# Altium PCB 22280A_AlarmeFenetre_Emetteur.PcbDoc
Units mm, origin at the board's own origin, x right, y up, seen from the top; angles counter-clockwise.
Board outline 60 x 60 mm, 2 copper layers (Top Layer, Bottom Layer), stack 1.586 mm thick; 39 components, 27 nets, 139 pads, 47 vias.
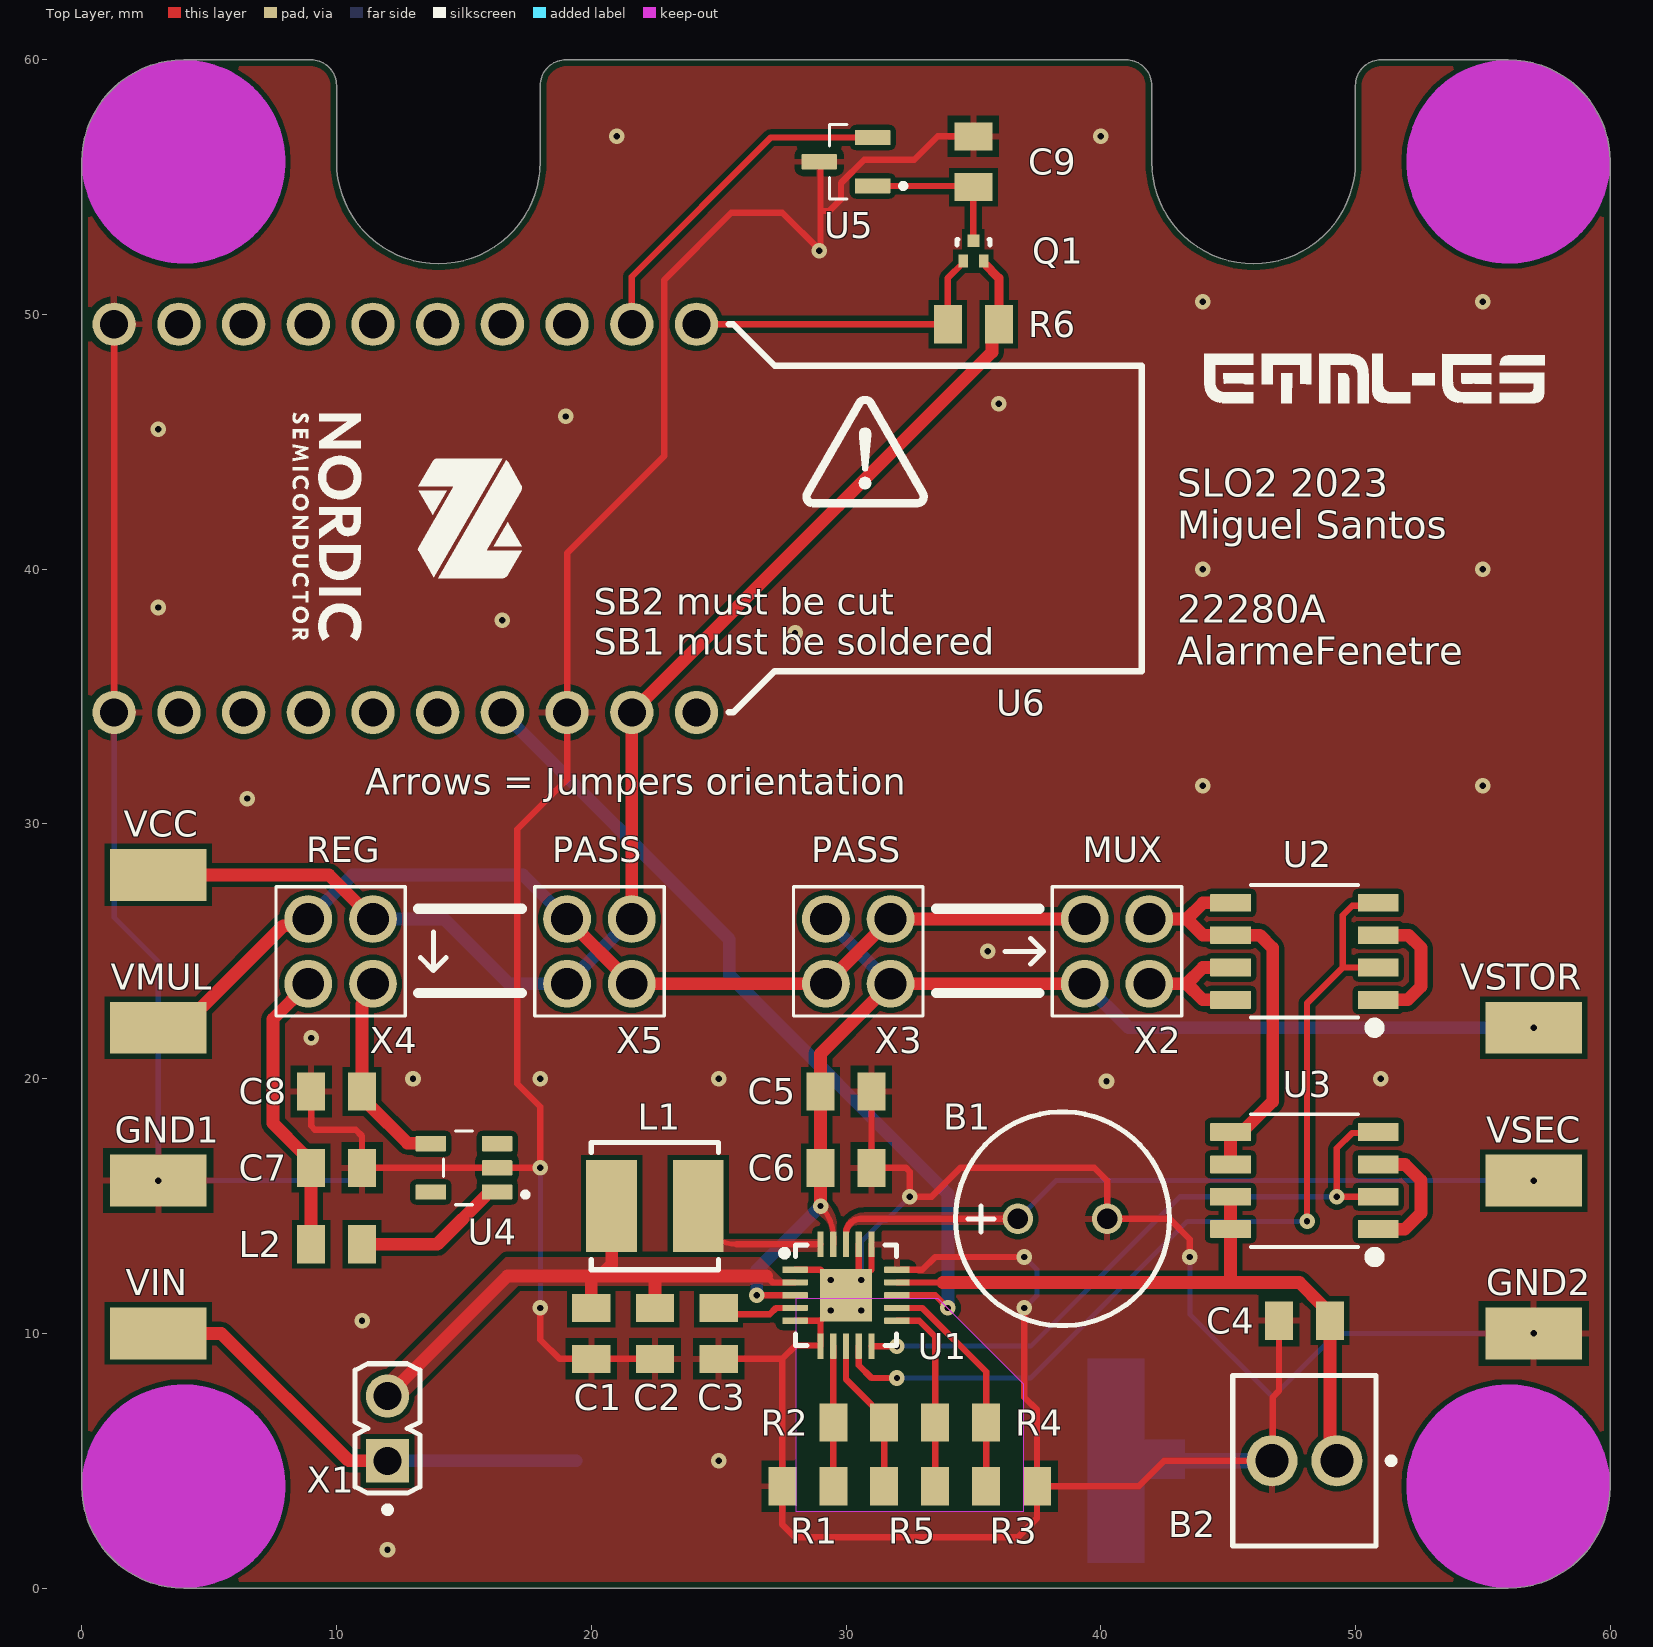
[diagram p0: Top Layer view]
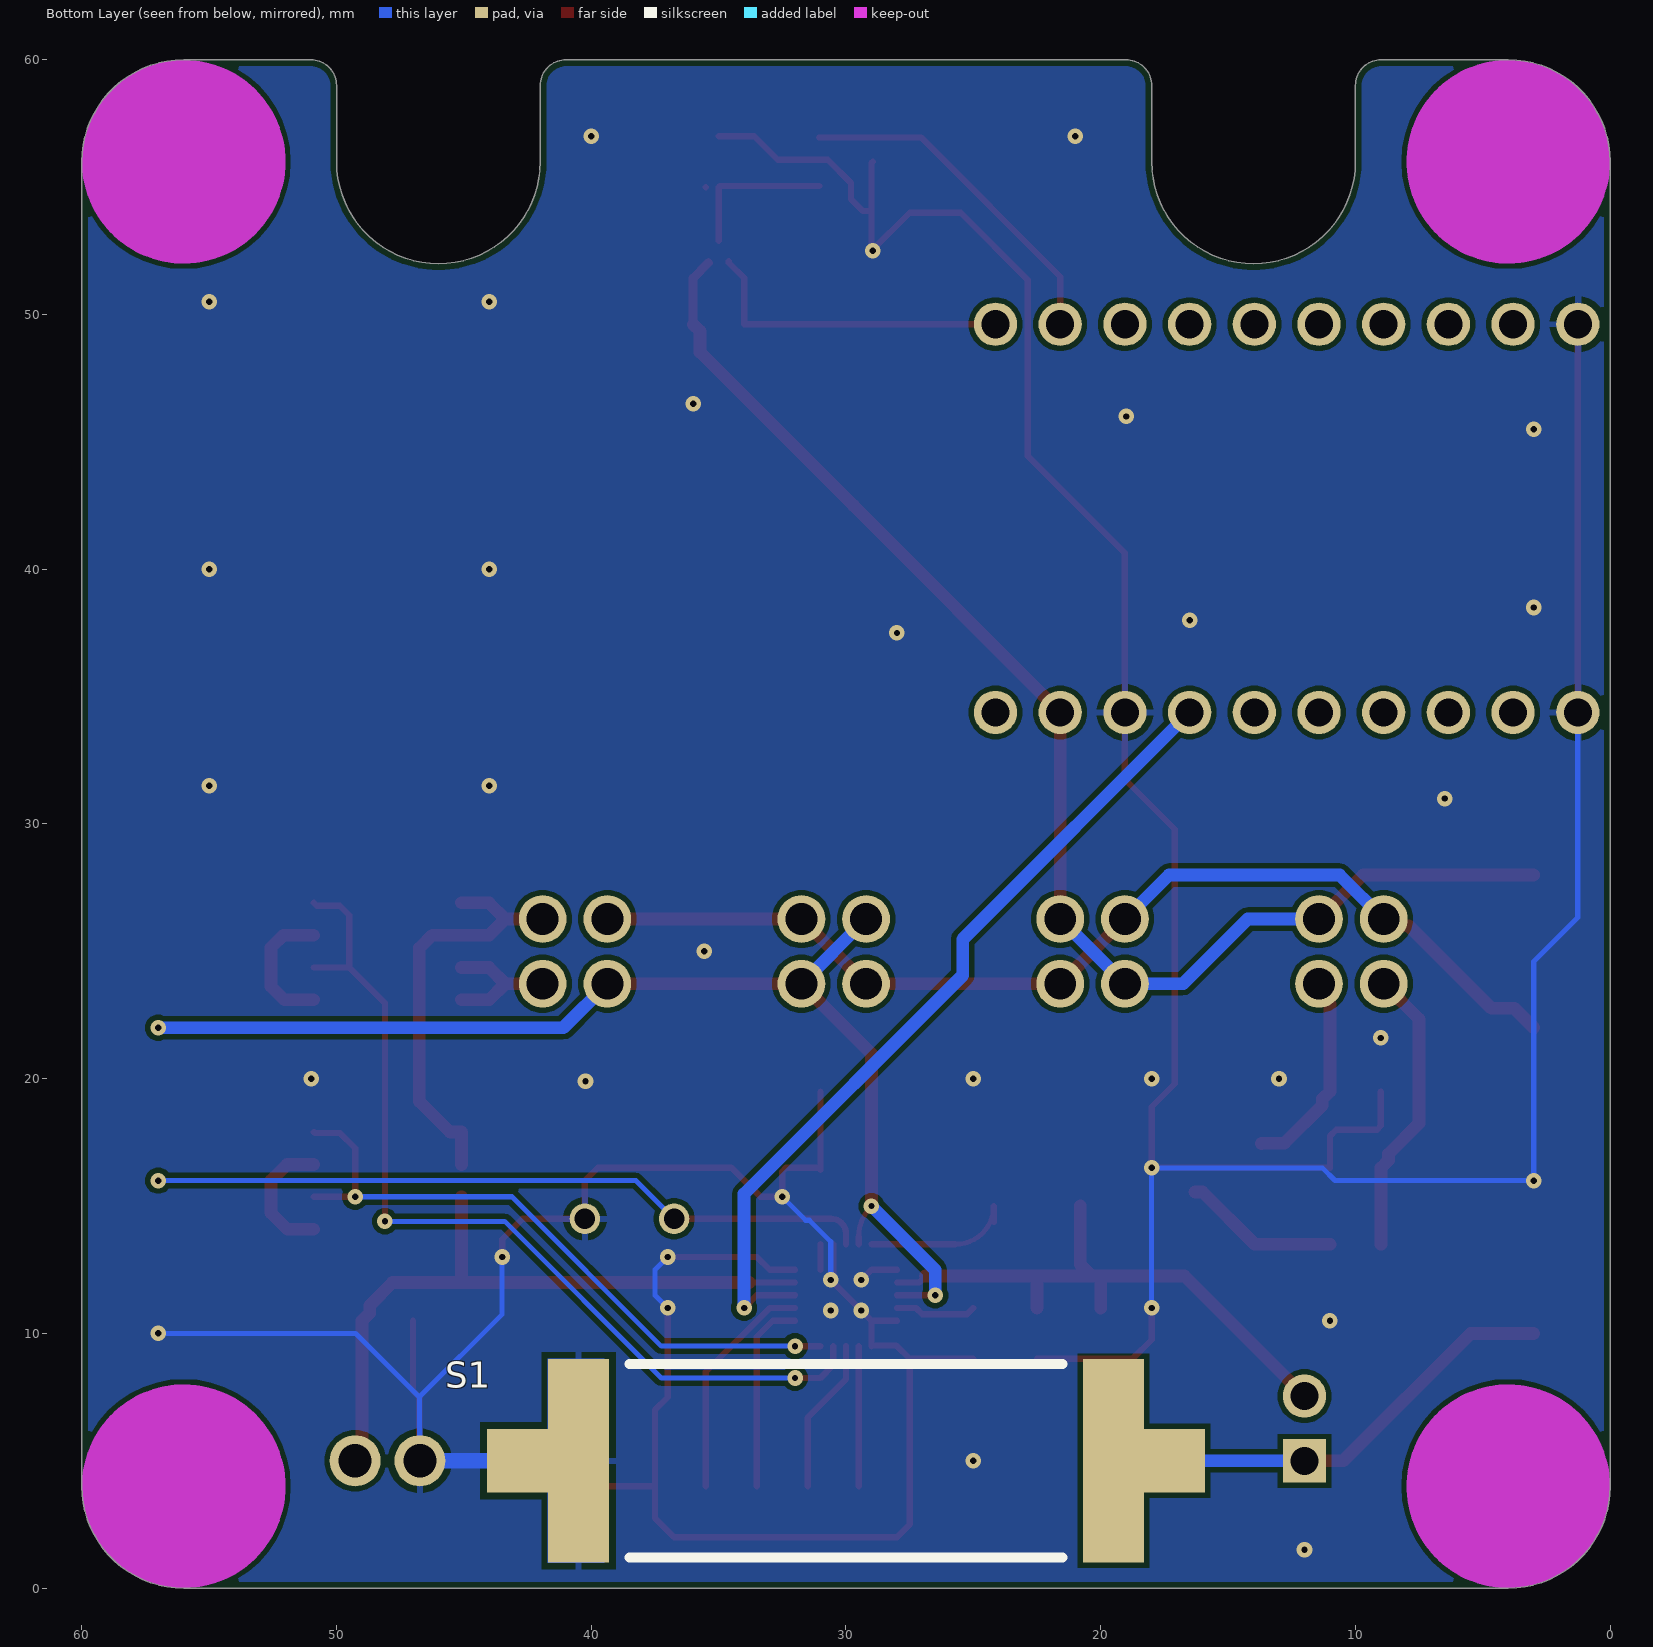
[diagram p1: Bottom Layer view, seen from below]

## Layer stack, top to bottom
Top Solder: solder mask 0.0102, Solder Resist, Dk 3.5
Top Layer: signal copper 0.018
Dielectric1: core 1.55, FR-4, Dk 4.8
Bottom Layer: signal copper 0.018
Bottom Solder: solder mask 0.0102, Solder Resist, Dk 3.5

## Board outline
4,0 cw(c4,4) 0,4 0,56 cw(c4,56) 4,60 9,60 cw(c9,59) 10,59 10,58.969 10,56 ccw(c14,56) 14,52 ccw(c14,56) 18,56 18,59 cw(c19,59) 19,60 41,60 cw(c41,59) 42,59 42,56 ccw(c46,56) 46,52 ccw(c46,56) 50,56 50,59 cw(c51,59) 51,60 56,60 cw(c56,56) 60,56 60,4 cw(c56,4) 56,0

## Design rules (kind name [scope] priority, off if disabled: settings)
BoardOutlineClearance [All] p1: gap=0.25 ignorepadtopadclearanceinfootprint=FALSE except(0: Arc-SplitContinuation Track-SplitContinuation SMDPad-SplitContinuation THPad-SplitContinuation Via-SplitContinuation Fill-SplitContinuation Poly-SplitContinuation Region-SplitContinuation Text-SplitContinuation)
Clearance GND_CLEARANCE [InNamedPolygon('GND_L01_P000') Or InNamedPolygon('GND_L01_P001')] p1: gap=0.2 ignorepadtopadclearanceinfootprint=FALSE except(0: Poly-Region)
Clearance Clearance-xPP-xTP-xTT [All] p2: gap=0.151 ignorepadtopadclearanceinfootprint=FALSE
ComponentClearance [All] p1: gap=0.25 collisioncheckmode=3 verticalgap=0.25 showdistances=FALSE
DiffPairsRouting [All] p1: maxlimit=0.25 minlimit=0.25 mostfreqgap=0.25 toplayer_minwidth=0.381 toplayer_maxwidth=0.381 toplayer_prefwidth=0.381 bottomlayer_minwidth=0.381 bottomlayer_maxwidth=0.381 bottomlayer_prefwidth=0.381 maxuncoupledlength=12.5
Height [All] p1: minheight=0 maxheight=25 prefheight=12.5
HoleSize HoleSize-PTH [All] p1: absolutevalues=TRUE maxlimit=10 minlimit=0.25 maxpercent=80.000 minpercent=20.000
HoleToHoleClearance [All] p1: gap=0.35 allowstackedmicrovias=TRUE
MinimumAnnularRing "Minimum IAR  >0.45mm" [((ObjectKind = 'Pad') OR (ObjectKind = 'Via')) And (Layer = 'MultiLayer') And (HoleDiameter > AsMM(0.45))] p1: minimumring=0.175 // minimum inner annular ring for pads > 0.45mm finished hole size
MinimumAnnularRing "Minimum IAR <=0.45mm" [((ObjectKind = 'Pad') OR (ObjectKind = 'Via')) And (Layer = 'MultiLayer') And (HoleDiameter <= AsMM(0.45))] p2: minimumring=0.175 // minimum inner annular ring for pads <= 0.45mm finished hole size
MinimumSolderMaskSliver [All] p1: minsoldermaskwidth=0.08
NetAntennae [All] p1 off: netantennaetolerance=0
PasteMaskExpansion [All] p1: expansion=-0.025
PlaneClearance PlaneClearance-IPI [All] p1: clearance=0.25
PlaneConnect [All] p1: planeconnectstyle=Relief reliefexpansion=0.175 reliefentries=4 reliefconductorwidth=0.2 reliefairgap=0.2
PolygonConnect SIGNALS_CONNECT_STYLE [All vs IsNamedPolygon('LBOOST_L01_P003') Or IsNamedPolygon('VIN_L01_P000') Or IsNamedPolygon('VSTOR_L01_P004') Or IsNamedPolygon('VSEC_L01_P005')] p1: connectstyle=Direct reliefconductorwidth=0.254 reliefentries=4 polygonreliefangle="90 Angle" airgapwidth=0.254
PolygonConnect GND_CONNECT_STYLE [All vs IsNamedPolygon('GND_L01_P000') Or IsNamedPolygon('GND_L01_P001')] p2: thpad.connectstyle=Relief thpad.reliefconductorwidth=0.254 thpad.reliefentries=4 thpad.polygonreliefangle="90 Angle" thpad.airgapwidth=0.254 smdpad.connectstyle=Relief smdpad.reliefconductorwidth=0.254 smdpad.reliefentries=4 smdpad.polygonreliefangle="90 Angle" smdpad.airgapwidth=0.254 via.connectstyle=Direct via.reliefconductorwidth=0.254 via.reliefentries=4 via.polygonreliefangle="90 Angle" via.airgapwidth=0.254
PolygonConnect PolygonConnect-xTW [All] p3: connectstyle=Relief reliefconductorwidth=0.2 reliefentries=4 polygonreliefangle="90 Angle" airgapwidth=0.2
RoutingCorners [All] p1: cornerstyle=45-Degree minsetback=2.5 maxsetback=2.5
RoutingVias RoutingViasES [All] p1: holewidth=0.3 width=0.65 viastyle="Through Hole" minholewidth=0.25 minwidth=0.61 maxholewidth=0.45 maxwidth=0.8 // finishet hole size <= 0.45mm
SilkToSilkClearance [All] p1: silktosilkclearance=0.2
SilkToSolderMaskClearance [IsPad] p1: minsilkscreentomaskgap=0.2 clearancetoexposedcopper=TRUE
SolderMaskExpansion [All] p1: expansion=0 istentingtop=FALSE
UnRoutedNet [All] p1: checkbadconnections=TRUE
Width Width-xTW [All] p1: maxlimit=1.5 minlimit=0.15 preferedwidth=0.2
16 further rules are at their usual default settings.

## Classes and differential pairs
component class 2228_Emetteur_Systeme: C9 Q1 R6 U5 U6
component class 2228_Emetteur_Alimentation: B1 B2 C1 C2 C3 C4 C5 C6 C7 C8 GND1 GND2 L1 L2 R1 R2 R3 R4 R5 S1 U1 U2 U3 U4 VCC VIN VMUL VSEC VSTOR X1 X2 X3 X4 X5

## Components (designator, comment, footprint, x,y, rotation, side; value= is the part's Value field where it differs from the comment)
B1 "SUPERCAP" SUPERCAP 38.5,14.5 r0 top value=2F
B2 "2x AAA" WE_2PINS 48,5 r0 top
C1 "CAP_SMD" CAP_0805 20,10 r90 top value=4.7µF
C2 "CAP_SMD" CAP_0805 22.5,10 r90 top value=100nF
C3 "CAP_SMD" CAP_0805 25,10 r270 top value=10nF
C4 "CAP_SMD" CAP_0805 48,10.5 r0 top value=100nF
C5 "CAP_SMD" CAP_0805 30,19.5 r180 top value=4.7µF
C6 "CAP_SMD" CAP_0805 30,16.5 r180 top value=10nF
C7 "CAP_SMD" CAP_0805 10,16.5 r180 top value=4.7µF
C8 "CAP_SMD" CAP_0805 10,19.5 r0 top value=22µF
C9 "CAP_SMD" CAP_0805 35,56 r270 top value=100nF
GND1 "5019" KSTN-5019_V 3,16 r180 top
GND2 "5019" KSTN-5019_V 57,10 r180 top
L1 "IND_SMD" WE-LQFS_4828 22.5,15 r90 top value=22µH
L2 "IND_SMD" IND_0805 10,13.5 r0 top value=2.2µH
Q1 "RZM001P02T2L" FP-VMT3-MFG 35,52.5 r90 top
R1 "RES_SMD" RES_0805 28.5,4 r180 top value=8.2M
R2 "RES_SMD" RES_0805 30.5,6.5 r180 top value=5.1M
R3 "RES_SMD" RES_0805 36.5,4 r0 top value=5.1M
R4 "RES_SMD" RES_0805 34.5,6.5 r0 top value=3.6M
R5 "RES_SMD" RES_0805 32.5,4 r0 top value=3.3M
R6 "RES_SMD" RES_0805 35,49.62 r0 top value=100k
S1 "Solar_Cell" KXOB25-05X3F-TR 30,5 r0 bottom locked
U1 "BQ25505" QFN_25505 30,11.5 r0 top
U2 "DMP3085LSD-13" SO-8 48,25 r180 top
U3 "DMP3085LSD-13" SO-8 48,16 r180 top
U4 "TPS613221ADBVT" SOT95P280X145-5N 15,16.5 r180 top
U5 "DRV5032FBDBZR" SOT95P237X112-3N 30,56 r180 top
U6 "NRF52840-DONGLE" NRF52840_DONGLE 1.27,42 r270 top locked
VCC "5019" KSTN-5019_V 3,28 r180 top
VIN "5019" KSTN-5019_V 3,10 r0 top
VMUL "5019" KSTN-5019_V 3,22 r180 top
VSEC "5019" KSTN-5019_V 57,16 r180 top
VSTOR "5019" KSTN-5019_V 57,22 r0 top
X1 "2PIN_HEADER" HEADER_2PINS 12,6.27 r90 top
X2 "2X2PIN_HEADER" 2X2_HEADER 40.64,25 r270 top
X3 "2X2PIN_HEADER" 2X2_HEADER 30.48,25 r90 top
X4 "2X2PIN_HEADER" 2X2_HEADER 10.16,25 r180 top
X5 "2X2PIN_HEADER" 2X2_HEADER 20.32,25 r90 top

## Footprints (in the part's own frame and the unit in brackets; to place one, negate y for a bottom-side part, rotate by r counter-clockwise, add the part's x,y. Pads: shape width x height; smd on the part's side, far side on the other; paste and mask are expansions set on the pad)
2X2_HEADER [mm]
  round 1.875 hole 1.25: 1(-1.27,-1.27) 2(-1.27,1.27) 3(1.27,-1.27) 4(1.27,1.27)
  silkscreen extent -2.54,-2.54 2.54,2.54, body extent -2.54,-2.54 2.54,2.54, height 8.54
CAP_0805 [mm]
  rect 1.1x1.5 smd: 1(-1,0) 2(1,0)
  body extent -1,-0.63 1,0.63, height 0.81
FP-VMT3-MFG [mm]
  rect 0.5x0.37 smd paste+0 mask+0: 1(-0.4,0.4) 2(-0.4,-0.4)
  rect 0.5x0.47 smd paste+0 mask+0: 3(0.4,0)
  silkscreen extent 0.23,-0.65 0.45,0.65, body extent -0.75,-0.75 0.75,0.75, height 0.25
HEADER_2PINS [mm] "Header, 2-Leads, Body 5.08x2.54mm, Pitch 2.54mm"
  rect 1.7x1.7 hole 1.1: 1(-1.27,0)
  round 1.7 hole 1.1: 2(1.27,0)
  silkscreen extent -3.31,-1.27 2.54,1.27, body extent -2.54,-1.27 2.54,1.27, height 8.54
IND_0805 [mm]
  rect 1.1x1.5 smd: 1(-1,0) 2(1,0)
  body extent -1,-0.63 1,0.63, height 0.61
KSTN-5019_V [mm] "Test Point, 1-Leads, Body 3.81x2.03mm"
  rect 3.8x2.03 smd: 1(0,0)
  body extent -1.9,-1.01 1.9,1.02, height 2.29
KXOB25-05X3F-TR [mm] "Solar Panel, 2-Leads, Body 23,00x8,00mm, IPC Low Density"
  rect 4.8x2.5 smd: 1(-11.7,0) 2(11.7,0)
  rect 2.4x8 smd: 1(-10.5,0) 2(10.5,0)
  Top Layer region: 9.5,4 9.5,-4 11.7,-4 11.7,-0.824 13.3,-0.824 13.3,0.7 11.7,0.7 11.7,4
  silkscreen extent -8.5,-3.8 8.5,3.8, body extent -11.5,-4 11.5,4, height 1.9
NRF52840_DONGLE [mm]
  round 1.7 hole 1.1: 1(-7.62,22.86) 2(-7.62,20.32) 3(-7.62,17.78) 4(-7.62,15.24) 5(-7.62,12.7) 6(-7.62,10.16) 7(-7.62,7.62) 8(-7.62,5.08) 9(-7.62,2.54) 10(-7.62,0) 11(7.62,0) 12(7.62,2.54) 13(7.62,5.08) 14(7.62,7.62) 15(7.62,10.16) 16(7.62,12.7) 17(7.62,15.24) 18(7.62,17.78) 19(7.62,20.32) 20(7.62,22.86)
  silkscreen extent -7.62,7 7.62,40.34, body extent -11,-10 11,40.45, height 15.5
QFN_25505 [mm] "QFN, 20-Leads, Body 3,65x3,65mm, Pitch 0,50mm, Thermal Pad 2,05x2,05mm, IPC Low Density"
  rrect20% 1x0.25 smd mask+0.07: 1(-2,1) 2(-2,0.5) 3(-2,0) 4(-2,-0.5) 5(-2,-1) 11(2,-1) 12(2,-0.5) 13(2,0) 14(2,0.5) 15(2,1)
  rrect20% 0.25x1 smd mask+0.07: 6(-1,-2) 7(-0.5,-2) 8(0,-2) 9(0.5,-2) 10(1,-2) 16(1,2) 17(0.5,2) 18(0,2) 19(-0.5,2) 20(-1,2)
  rect 2.05x2.05 smd: 21(0,0)
  silkscreen extent -2.54,-1.97 1.97,1.97, body extent -1.88,-1.88 1.88,1.88, height 1.4
RES_0805 [mm]
  rect 1.1x1.5 smd: 1(-1,0) 2(1,0)
  body extent -1,-0.63 1,0.63, height 0.52
SO-8 [mm]
  rrect5% 1.6x0.7 smd: 1(-2.9,1.905) 2(-2.9,0.635) 3(-2.9,-0.635) 4(-2.9,-1.905) 5(2.9,-1.905) 6(2.9,-0.635) 7(2.9,0.635) 8(2.9,1.905)
  silkscreen extent -2.95,-2.6 2.11,3.2, body extent -3.05,-2.48 3.05,2.48, height 1.76
SOT95P237X112-3N [mm]
  rrect15% 1.4x0.6 smd: 1(-1.05,0.95) 2(-1.05,-0.95) 3(1.05,0)
  silkscreen extent -2.35,-1.46 0.65,1.46, body extent -1.25,-1.46 1.25,1.46, height 1.12
SOT95P280X145-5N [mm]
  rrect12% 1.2x0.6 smd: 1(-1.3,0.95) 2(-1.3,0) 3(-1.3,-0.95) 4(1.3,-0.95) 5(1.3,0.95)
  silkscreen extent -2.51,-1.45 0.8,1.45, body extent -1.4,-1.45 1.4,1.45, height 1.45
SUPERCAP [mm]
  round 1.2 hole 0.8: 1(-1.75,0) 2(1.75,0)
  silkscreen extent -4.2,-4.2 4.2,4.2, body extent -4,-4 4,4, height 16
WE-LQFS_4828 [mm] "SMT Power Inductor, body 4.8x4.8mm"
  rect 3.6x2 smd: 1(0,1.7) 2(0,-1.7)
  silkscreen extent -2.5,-2.5 2.5,2.5, body extent -2.4,-2.4 2.4,2.4, height 2.8
WE_2PINS [mm]
  round 2 hole 1.3 paste-1000 mask+0: 1(1.27,0) 2(-1.27,0)
  silkscreen extent -2.82,-3.35 3.53,3.35, body extent -2.92,-3.45 2.92,3.45, height 0.25

## Part data
B1: "Polarized SuperCapacitor (Radial)"
B2: library part Battery, "Multicell Battery"
C1 C2 C3 C4 C5 C6 C7 C8 C9: "Capacitor"
GND1 GND2 VCC VIN VMUL VSEC VSTOR: library part CMP-1672-00008-1, "Test Point, 1 Position SMD, RoHS, Tape and Reel", Package Quantity=1000, ComponentLink1Description="Manufacturer URL", ComponentLink1URL=http://www.keyelco.com/, ComponentLink2Description=Datasheet, ComponentLink2URL=http://www.keyelco.com/product-pdf.cfm?p=1357, Contact Plating=Silver, DatasheetVersion=03/2014, Mount="Surface Mount", Mounting Technology="Surface Mount", PackageDescription="1-Pin Surface Mount Device, Body 3.81 x 2.03 mm", PackageReference=5019, Packaging="Tape and Reel", Pins=1, RoHSCompliant=True
L1 L2: "Inductor SMD"
Q1: library part CMP-08982-000003-1, "MOSFET P-CH 20V 0.1A VMT3", Continuous Drain Current=100mA, Drain To Source Breakdown Voltage=-20V, Drain To Source Resistance=2.5Ω, Gate To Source Voltage=10V, Input Capacitace At Vds="15pF @ -10V", Manufacturer=Rohm, Max Forward Diode Voltage=-1.2V, Max Junction Temp=+150°C, Package=VMT3, Power Dissipation=150W, Pulse Drain Current=400mA, Temperature="-55°C to +150°C", Temperature Range Low=-55°C, Automotive=No, Category=Trans, ComponentLink2Description=Datasheet, ComponentLink2URL=https://www.rohm.com/datasheet/RZM001P02/rzm001p02t2l-e, Depletion Mode=False, Device Class L1="Discrete Semiconductors", Device Class L2=Transistors, Device Class L3=MOSFETs, Digikey Description="MOSFET P-CH 20V 0.1A VMT3", Drain To Source Voltage=-20V, Height=0.55mm, Lead Free=Yes, Manufacturer Part Number=RZM001P02T2L, Mouser Description="MOSFET 1.2V Drive Pch MOSFET", Number Of Channels=1, Number Of P Channels=1, Octopart=https://octopart.com/rzm001p02t2l-rohm-29677415, RoHS=TRUE, Rthja Max=833°C/W, Standoff Height=0mm, Temperature Range High=+150°C, Threshold Vgs Max=-1V, Threshold Vgs Min=-0.3V, Turn Off Delay Time=325ns, Turn On Delay Time=46ns
R1: Supplier Part Number 1=541-7.87MHCT-ND, Supplier 1=Digi-Key
S1: "Anysolar KXOB25-05X3F", Manufacturer=Anysolar, Manufacturer_Number=KXOB25-05X3F-TR
U1: library part BQ25505RGRR, "Low power energy harvester", Manufacturer="Texas Instruments", Manufacturer_Number=BQ25505RGRR
U2 U3: Manufacturer="Diodes Inc", Manufacturer_Number=DMP3085LSD-13
U4 U5: Manufacturer="Texas Instruments"
  U4: Manufacturer_Number=TPS613221ADBVT
  U5: Manufacturer_Number=DRV5032FBDBZR
U6: Manufacturer="Nordic Semiconductor", Manufacturer_Number=NRF52840-DONGLE

## Free pads (board coordinates)
  round 3 hole 3.2 unplated: M3(4,4) M3(4,56) M3(56,4) M3(56,56)

## Via types
v1: diameter 0.61, hole 0.25, Top Layer to Bottom Layer, 47 vias

## Nets (pads, with @x,y where several pads share a name; then routed paths per layer and width w, separated by ;. In a path a pad name is that pad's centre, name@x,y a point inside that pad or via, vN(x,y) a via of type N, cw(c..) or ccw(c..) an arc to the next point about the centre after c; other vN are vias at no path point)
GND: B1.2 B2.2 C1.1 C2.1 C3.2 C4.1 C5.1 C6.1 C7.1 C8.1 C9.1 GND1.1 GND2.1 R1.2 R3.2 S1.2 U1.1 U1.5 U1.6 U1.15 U1.16 U1.17 U1.21 U4.2 U5.3 U6.10 U6.11 U6.18 | length 241.1
  Top Layer w0.25: U6.11 U6.10 ; C8.1 9,18.146 9.147,18 10.75,18 11,17.75 11,16.5 U4.2 v1(18,16.5) 18,18.9 17.1,19.8 17.1,29.8 19.05,31.75 U6.18 19.05,40.64 22.86,44.45 22.86,51.36 25.5,54 27.5,54 29,52.5 29,54 ; v1(18,11) 18,9.75 18.75,9 C1.1 C2.1 ; C3.2 27.5,9 ; U1.5 U1.21@29,10.5 ; U1.1 29,12.5 v1(29.4,12.1) ; U5.3 29,55.95 29,54 ; U1.6 U1.6@29,9.525 ; U1.17 30.5,12.2 v1(30.6,12.1) U1.21 v1(29.4,10.9) U1.21@29,10.5 ; U1.21@31,12.5 U1.16 ; C6.1@31,16.425 C5.1 ; C6.1 32.355,16.5 32.502,16.353 v1(32.502,15.365) 33.36,15.365 34.495,16.5 39.75,16.5 40.25,16 B1.2 42.7,14.5 43.5,13.7 v1(43.5,13) ; U1.15 33,12.5 33.5,13 v1(37,13) ; C9.1 33.6,57 32.684,56.084 30.72,56.084 29.804,55.168 29.804,54.527 29.346,54.069 29.069,54.069 29,54 ; v1(37,11) 37,7.5 37.5,7 R3.2 ; 47,8.25 47,7.75 46.75,7.5 46.75,5.02 B2.2 42.5,5 41.5,4 R3.2 ; 47,8.25 C4.1 ; 27.5,9 R1.2 27.5,2.5 28,2 36.75,2 37.5,2.75 R3.2 ; 27.5,9 28.025,9.525 U1.6@29,9.525 ; U1.6@29,9.525 U1.21@29,10.5
  Bottom Layer w0.2: U6.11 1.27,26.33 3,24.6 v1(3,16) 10.8,16 11.3,16.5 v1(18,16.5) v1(18,11) ; v1(30.6,12.1) 30.6,13.6 31.443,14.443 31.58,14.443 v1(32.502,15.365) ; v1(37,11) 37.5,11.5 37.5,12.5 v1(37,13) ; v1(43.5,13) 43.5,10.75 46.75,7.5 ; B2.2 46.75,5.02 46.75,7.5 ; v1(57,10) 49.25,10 46.75,7.5
  Bottom Layer w0.6: S1.2@40.6,5 41.7,5 B2.2
  other v1: 12,1.5 25,5 11,10.5 30.6,10.9 40.227,19.895 13,20 18,20 25,20 51,20 9,21.6 35.56,25 6.5,31 44,31.5 55,31.5 28,37.5 16.5,38 3,38.5 44,40 55,40 3,45.5 19,46 36,46.5 44,50.5 55,50.5 28.95,52.5 21,57 40,57
LBOOST: L1.2 U1.20 | length 6.3
  Top Layer w0.2: L1.2 ccw(c25.7,15) 25.7,13.5
  Top Layer w0.25: L1.2@24.2,14.375 L1.2 ; 25.7,13.5 U1.20
MAG_EN: Q1.1 R6.1 U6.1 | length 12.6
  Top Layer w0.25: U6.1 34,49.62 34,51.435 34.6,52.035 Q1.1
MAG_OUT: U5.2 U6.2 | length 13.6
  Top Layer w0.25: U6.2 21.59,51.49 27.05,56.95 U5.2
NetC7_2: C7.2 L2.1 X4.4 | length 11.4
  Top Layer w0.5: X4.4 7.5,22.34 7.5,18.25 8.7,17.05 8.7,16.8 C7.2 L2.1
NetC8_2: C8.2 U4.4 X4.2 | length 8.1
  Top Layer w0.5: X4.2 11.43,23.358 11,22.928 C8.2 11.3,19.2 11.3,18.95 12.78,17.47 13.68,17.47 U4.4
NetC9_2: C9.2 Q1.3 U5.1 | length 6.1
  Top Layer w0.25: U5.1 34.95,55.05 C9.2 Q1.3
NetL2_2: L2.2 U4.1 | length 6.1
  Top Layer w0.5: L2.2 13.95,13.5 16,15.55 U4.1
NetS1_1: S1.1 VIN.1 X1.1 | length 18.5
  Top Layer w0.5: VIN.1 5.475,10 10.475,5 X1.1
  Bottom Layer w0.5: X1.1 S1.1@19.4,5
NetU2_1: U2.1 U2.3 | length 5.3
  Top Layer w0.5: U2.1 52.051,23.095 52.578,23.622 52.578,25.146 52.089,25.635 U2.3
NetU2_5: U2.5 U2.6 U3.5 U3.6 X2.2 | length 16.7
  Top Layer w0.5: X2.2 43.375,26.27 ; U3.6 U3.5 45.55,17.905 46.75,19.105 46.75,25.132 46.247,25.635 44.01,25.635 43.375,26.27 ; U2.5 44.01,26.905 43.375,26.27
NetU2_7: U2.7 U2.8 X2.4 | length 5.4
  Top Layer w0.5: X2.4 43.375,23.73 ; U2.8 44.01,23.095 43.375,23.73 ; U2.7 44.01,24.365 43.375,23.73
NetU3_1: U3.1 U3.3 | length 5.2
  Top Layer w0.5: U3.1 51.941,14.095 52.578,14.732 52.578,16.002 51.945,16.635 U3.3
PRI_ON: U1.10 U3.2 U3.4 | length 26.1
  Top Layer w0.25: U1.10 v1(32,9.5) ; U3.2 v1(49.27,15.365) 49.27,17.266 49.871,17.867 50.862,17.867 U3.4
  Bottom Layer w0.2: v1(32,9.5) 37.25,9.5 43.115,15.365 v1(49.27,15.365)
SEC_ON: U1.9 U2.2 U2.4 | length 36.7
  Top Layer w0.25: U1.9 30.5,8.75 31,8.25 v1(32,8.25) ; v1(48.1,14.4) 48.1,22.965 49.5,24.365 ; U2.2 49.5,24.365 ; U2.4 50.782,26.787 49.871,26.787 49.5,26.416 49.5,24.365
  Bottom Layer w0.2: v1(32,8.25) 37.25,8.25 43.4,14.4 v1(48.1,14.4)
V_OV: R1.1 R2.2 U1.7 | length 5.5
  Top Layer w0.25: R1.1 R2.2 U1.7
VBAT_OK: U1.13 U6.17 | length 32.8
  Top Layer w0.25: U1.13 33.5,11.5 v1(34,11)
  Bottom Layer w0.5: U6.17 25.417,25.473 25.417,24.062 34,15.479 v1(34,11)
VCC: Q1.2 R6.2 U6.19 VCC.1 X4.1 X5.2 X5.3 | length 53.5
  Top Layer w0.25: Q1.2@35.4,52.035 Q1.2
  Top Layer w0.35: Q1.2@35.4,52.035 36,51.435 R6.2
  Top Layer w0.5: VCC.1 9.7,28 X4.1 ; X5.3 U6.19 29.71,42.5 35.735,48.525 35.735,49.355 R6.2
  Bottom Layer w0.5: X4.1 14.23,26.27 16.77,23.73 X5.2 X5.3
VIN: C1.2 C2.2 L1.1 U1.2 X1.2 | length 23.5
  Top Layer w0.25: 26.875,12.25 27.125,12 U1.2
  Top Layer w0.5: X1.2 16.71,12.25 20,12.25 ; C1.2 20,12.25 ; L1.1 20.8,12.7 20.35,12.25 ; C2.2 22.5,12.25 ; 26.875,12.25 22.5,12.25 ; 20,12.25 20.35,12.25 ; 20.35,12.25 22.5,12.25
VMUL: VMUL.1 X2.1 X3.2 X3.3 X4.3 X5.1 X5.4 | length 41.7
  Top Layer w0.5: VMUL.1 3.765,22.765 4.665,22.765 7.907,26.007 8.627,26.007 X4.3 ; X5.4 X5.1 X3.2 X3.3 X2.1
  Bottom Layer w0.5: X4.3 10.62,28 17.32,28 X5.4
VOK_HYST: R4.1 R5.2 U1.11 | length 7.6
  Top Layer w0.25: U1.11 32.875,10.5 33.5,9.875 R5.2
VOK_PROG: R3.1 R4.2 U1.12 | length 9
  Top Layer w0.25: U1.12 33,11 35.5,8.5 R4.2 R3.1
VPRI: B2.1 C4.2 U1.14 U3.7 U3.8 | length 26.8
  Top Layer w0.25: U1.14 33.8,12
  Top Layer w0.5: 33.8,12 45.1,12 ; U3.7 U3.8 45.1,12 ; B2.1 49,5.27 C4.2 48.7,10.8 48.7,11.1 47.8,12 45.1,12
VRDIV: R2.1 R5.1 U1.8 | length 6.1
  Top Layer w0.25: U1.8 30,8.2 31.5,6.7 R2.1 R5.1
VREF: C3.1 U1.4 | length 3.2
  Top Layer w0.25: C3.1 25.25,10.75 27,10.75 27.25,11 U1.4
VSEC: B1.1 U1.18 VSEC.1 | length 28.4
  Top Layer w0.25: U1.18 30,13.918 cw(c30.582,13.918) 30.582,14.5 B1.1
  Bottom Layer w0.2: B1.1 38.25,16 v1(57,16)
VSTOR: C5.2 C6.2 U1.3 U1.19 VSTOR.1 X2.3 X3.1 X3.4 | length 47.1
  Top Layer w0.2: v1(29,15) cw(c27.792,13.793) U1.19@29.5,13.793
  Top Layer w0.25: v1(26.5,11.5) U1.3 ; U1.19 U1.19@29.5,13.793
  Top Layer w0.5: v1(29,15) C6.2 29,20.98 X3.1 X2.3
  Bottom Layer w0.5: v1(26.5,11.5) 26.5,12.5 v1(29,15) ; X3.4 X3.1 ; X2.3 41.1,22 v1(57,22)
pads on no net: U4.3 U4.5 U6.3 U6.4 U6.5 U6.6 U6.7 U6.8 U6.9 U6.12 U6.13 U6.14 U6.15 U6.16 U6.20

## Polygon pours and split planes (outlines as drawn)
GND on Top Layer "GND_L01_P000" (solid, remove dead copper, pour order 6): 0,4 0,56 cw(c4,56) 4,60 56,60 cw(c56,56) 60,56 60,4 cw(c56,4) 56,0 4,0 cw(c4,4)
VSEC on Top Layer "VSEC_L01_P005" (solid, pour order 5): 30.125,13.95 cw(c30.425,13.95) 30.425,14.25 36.25,14.25 36.25,14.75 30.8,14.75 ccw(c30.737,13.888) 29.875,13.95
VSTOR on Top Layer "VSTOR_L01_P004" (solid, pour order 4): 29.625,13.975 29.625,14.22 ccw(c28.336,14.243) 29.2,15.2 28.8,14.8 29.181,14.444 cw(c28.711,13.975) 29.375,13.975
LBOOST on Top Layer "LBOOST_L01_P003" (solid, pour order 3): 25,13.2 29,13.2 29,13.7 25,13.7
VIN on Top Layer "VIN_L01_P000" (solid, remove dead copper, pour order 0): 27.5,12.125 26.625,13 16.65,13 12,8.35 12,7.5 12.75,7.5 17.125,11.875 27.5,11.875
GND on Bottom Layer "GND_L01_P001" (solid, remove dead copper, pour order 1): 0,4 0,56 cw(c4,56) 4,60 56,60 cw(c56,56) 60,56 60,4 cw(c56,4) 56,0 4,0 cw(c4,4)

## Keep-outs
Top Layer:
  region: 28.05,3 28.05,11.375 33.6,11.375 36.95,8.025 36.95,3
Keep-Out Layer:
  circle w4: c56,56 r2
  circle w4: c56,4 r2
  circle w4: c4,4 r2
  circle w4: c4,56 r2

## Silkscreen, mask and mechanical layers (free items; w line width, h text height)
Top Overlay:
  drawing of 25 lines, arcs and shapes, not listed
  text "SB2 must be cut / SB1 must be soldered" at 20.098,36.646 h1.05
  text "SLO2 2023 / Miguel Santos /  / 22280A / AlarmeFenetre" at 43,36.25 h1.1
  text "Arrows = Jumpers orientation" at 11.13,31.15 h1.05
  text "REG" at 8.814,28.495 h1.01
  text "PASS" at 18.469,28.495 h1.01
  text "PASS" at 28.629,28.495 h1.01
  text "MUX" at 39.294,28.495 h1.01
Board Outline (ES):
  lines w0.4: 10,55.969 10,58.969 ; 10,56 ccw(c14,56) 14,52 ccw(c14,56) 18,56 18,59 cw(c19,59) 19,60 41,60 cw(c41,59) 42,59 42,56 ccw(c46,56) 46,52 ccw(c46,56) 50,56 50,59 cw(c51,59) 51,60 56,60 cw(c56,56) 60,56 60,4 cw(c56,4) 56,0 4,0 cw(c4,4) 0,4 0,56 cw(c4,56) 4,60 9,60 cw(c9,59) 10,59

## Dimensions
9,59 to 12,63 on Top Dims
56,56 to 63,63 on Top Dims
0,56 to -4.5,42.1 on Top Dims
42,59 to 50,59 on Top Dims
14,52 to 46,52 on Top Dims
56,0 to 56,60 on Top Dims
0,4 to 60,4 on Top Dims